# KiCad board SevenSegment.kicad_pcb (continued)
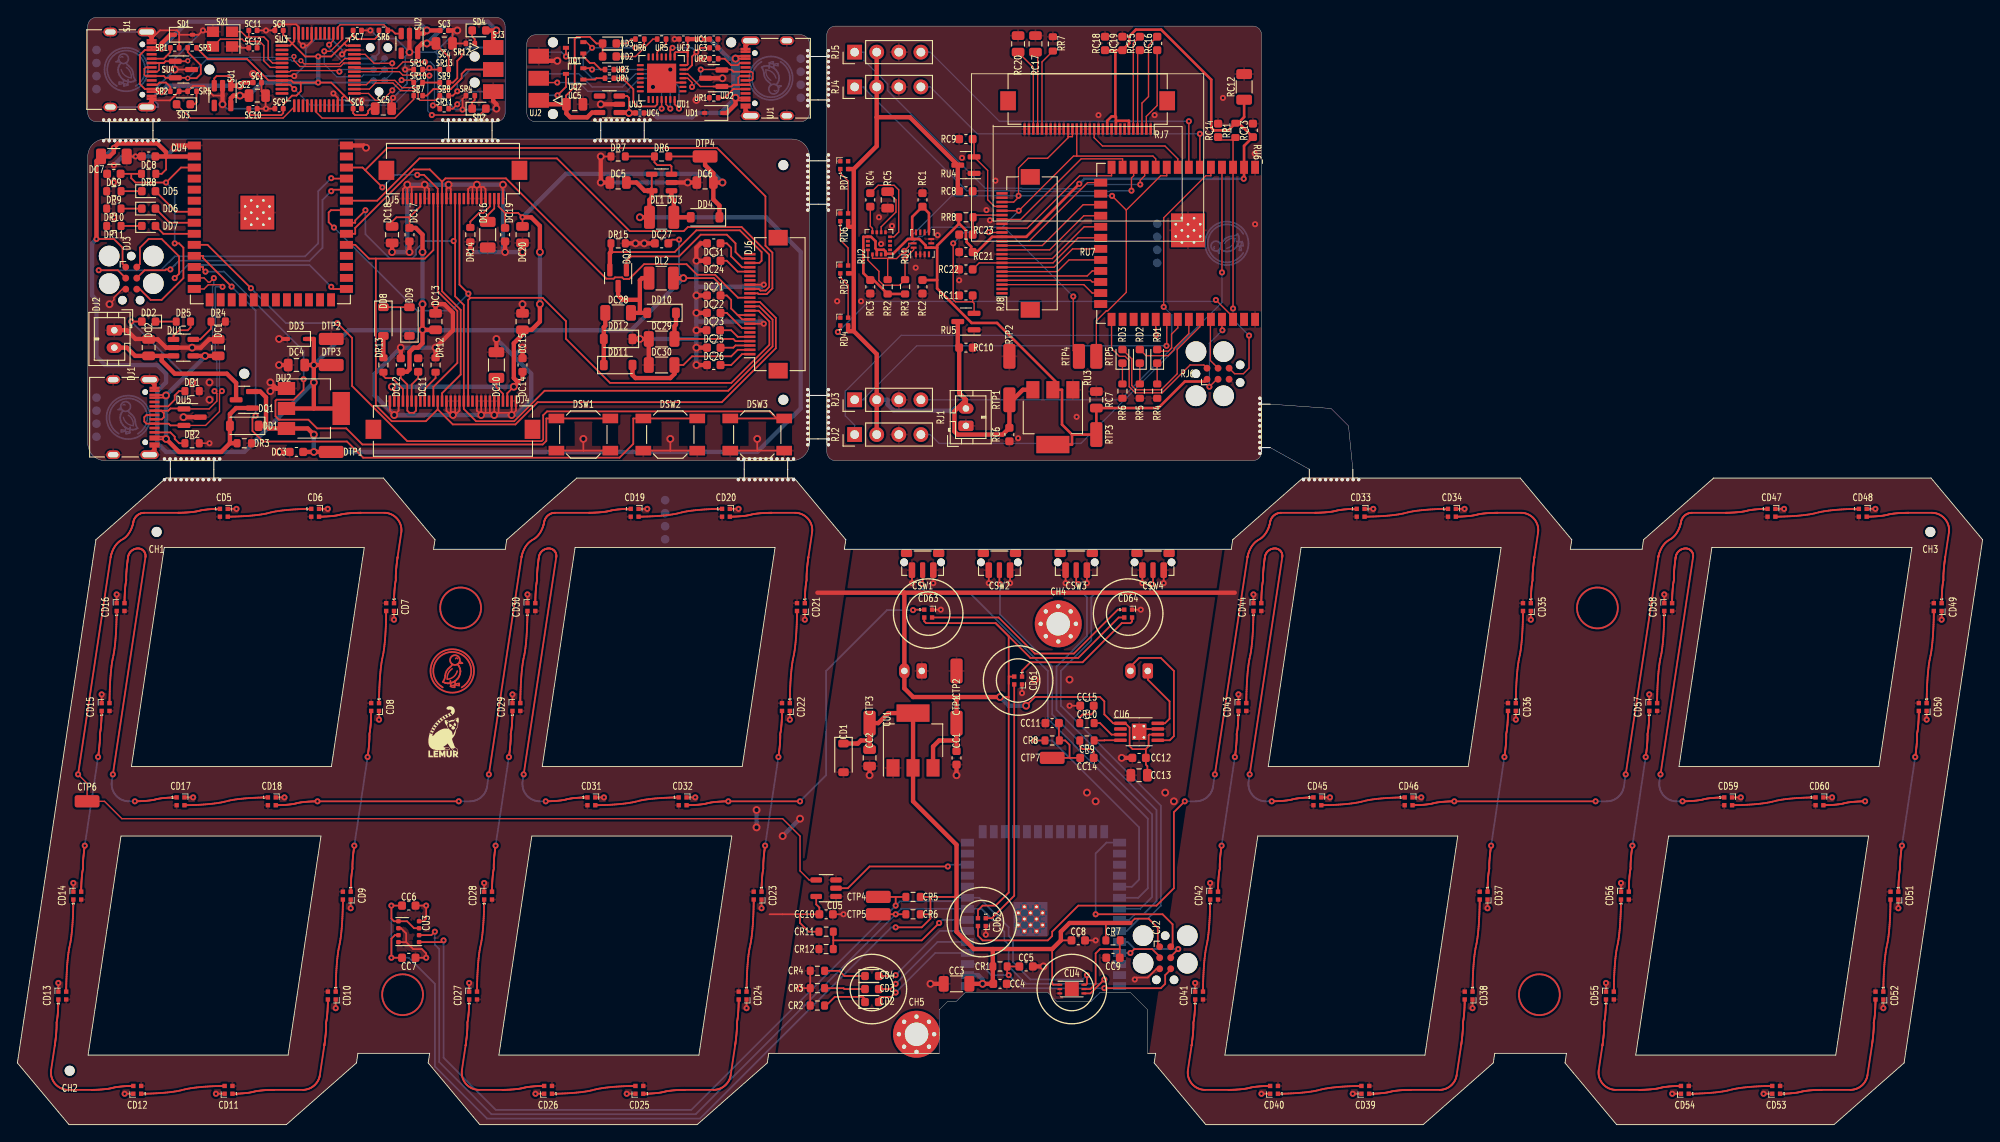
[diagram p0: board, top side]
## Routing (per net, layer and track width the routed paths; a pad name or vN(x,y) marks a point on that pad's centre or on a via; arc(x,y) is an arc through that point) (continued)
mcu.program_en_node: length 90.7
  Front w0.15: RJ6.6 140,86.4 141.01,86.4 141.66,87.05 v3(141.66,90.79) ; 139.81,113.3 RU6.3 v3(139.81,93.9) ; 139.81,113.3 RR1.2 ; 139.81,113.3 138.43,113.3 RC14.1
  Front w0.2: v3(18.09,101.4) 18.59,101.4 19.09,100.9 19.09,97.4 16.59,94.9 15.32,94.9 14.09,96.13 DJ3.6 ; 13.09,109.4 DR8.2 ; 13.09,109.4 13.09,108.9 13.59,108.4 v3(17.09,108.4) 18.81,110.12 DU4.3 ; 13.09,109.4 DC9.1 ; v3(125.02,15.7) 131.51,15.7 132.01,16.2 132.01,17.2 132.65,17.84 ; 115.24,18.2 CR1.2 113.84,17.38 v3(114.02,17.2)
  Back w0.15: v3(139.81,93.9) 139.81,92.64 v3(141.66,90.79)
  Back w0.2: CU2.3 110.73,18.48 112.02,17.2 v3(114.02,17.2) 115.52,15.7 v3(125.02,15.7) ; v3(17.09,108.4) 18.09,107.4 v3(18.09,101.4)
mcu.program_uart_node.a_tx: length 54.8
  Front w0.15: RJ6.3 137.96,85.77 v3(137.09,84.9) ; RU6.37 138.54,91.45 v3(138.59,91.4)
  Front w0.2: DU4.37 36.14,108.85 v3(36.09,108.9) ; v3(128.01,19.75) 128.46,20.2 130.51,20.2 130.51,20.2 131.38,19.34 ; v3(9.35,98.31) 11.55,98.31 DJ3.3
  Back w0.15: v3(138.59,91.4) 137.09,89.9 v3(137.09,84.9)
  Back w0.2: CU2.37 v3(128.01,19.75) ; v3(9.35,98.31) 16.5,98.31 18.09,99.9 33.09,99.9 34.59,101.4 34.59,107.4 v3(36.09,108.9)
mcu.program_uart_node.b_tx: length 45.9
  Front w0.15: RU6.36 137.21,92.59 137.21,87.92 137.66,87.47 RJ6.4
  Front w0.2: 132.65,19.34 v3(133.51,20.2) ; DU4.36 36.28,107.58 v3(36.09,107.4) ; DJ3.4 14.64,98.31 17,98.31 17.09,98.4 v3(17.59,98.4)
  Back w0.2: CU2.36 127.69,21.02 128.52,20.2 132.01,20.2 132.01,20.2 v3(133.51,20.2) ; v3(36.09,107.4) 35.09,106.4 35.09,100.9 33.59,99.4 18.6,99.4 18.09,98.89 18.09,98.89 v3(17.59,98.4)
mcu.swd.swo: length 9.3
  Front w0.15: SU3.39 36.34,124.75 v3(35.85,124.26)
  Back w0.15: v3(35.85,124.26) 35.85,123.83 37.65,122.04 41.59,122.04 SJ2.6
mcu.swd_node.reset: length 10.7
  Front w0.15: SU3.7 31.34,121.15 31.47,121.27 36.92,121.27 v3(37.04,121.16)
  Back w0.15: SJ2.3 37.28,121.4 v3(37.04,121.16)
mcu.swd_node.swclk: length 12.7
  Front w0.15: SU3.37 37.34,124.84 36,123.5 v3(35.3,123.5)
  Back w0.15: SJ2.4 41.59,120.77 39.79,120.77 39.6,120.57 36.75,120.57 35.3,122.02 v3(35.3,123.5)
mcu.swd_node.swdio: length 7.1
  Front w0.15: v3(43.11,122.12) 41.02,122.12 39.99,123.15 SU3.34
  Back w0.15: v3(43.11,122.12) 43.11,121.01 SJ2.2
mcu.xtal_node.driver.xtal_in: length 9.2
  Front w0.16: 26.59,125.15 26.34,125.15 25.75,125.75 SX1.1 ; 26.59,125.15 26.61,125.17 SC11.1 ; 26.59,125.15 28.34,125.15 28.84,124.65 28.84,122.65 29.34,122.15 SU3.5
mcu.xtal_node.driver.xtal_out: length 11.4
  Front w0.16: SX1.3 23.34,124.9 25.84,124.9 26.09,124.65 27.59,124.65 ; 27.59,124.65 27.58,124.63 SC12.1 ; 27.59,124.65 27.84,124.65 28.34,124.15 28.34,122.4 29.09,121.65 SU3.6
meta.dout: length 16.1
  Front w0.2: CD61.1 115.55,52.24 116.52,53.2 122.52,53.2 127.02,57.7 128.01,57.7 128.2,57.89 CD64.3
meta.led[0].dout: length 25.9
  Front w0.2: CD63.3 112.86,58.35 117.02,54.2 121.52,54.2 126.56,59.25 CD64.1
oled22.device.vcomh: length 3
  Front w0.2: DJ5.3 54.84,105.4 54.09,104.65 DC16.1
oled22.iref_res.a: length 4.5
  Front w0.2: DJ5.4 54.34,105.65 53.59,104.9 53.09,104.9 52.09,103.9 DR14.1
oled28.cs: length 93.7
  Front w0.2: 41.23,99.64 41.23,82.76 43.05,80.94 46.99,80.94 48.34,82.3 ; 41.23,99.64 46.87,99.64 47.84,100.62 DJ5.17 ; 41.23,99.64 40.44,99.64 38.86,101.23 DU4.31 ; 48.34,82.3 50.08,80.56 57.27,80.56 59.83,83.12 81.02,83.12 87.23,89.33 87.23,92.82 85.4,94.65 DJ6.13 ; 48.34,82.3 DJ4.12
oled28.dc: length 84.8
  Front w0.2: DU4.32 38.86,102.5 38.86,103.18 45.58,109.9 47.43,109.9 48.84,108.49 ; 48.84,108.49 DJ5.15 48.84,95.88 50.98,93.74 50.98,86.3 48.84,84.16 DJ4.13 ; 48.84,108.49 49.23,108.87 56.19,108.87 67.73,97.34 68.58,97.34 68.73,97.48 69.56,97.48 69.75,97.3 70.37,97.3 72.08,99 76.96,99 78.17,97.79 80.24,97.79 82.88,95.15 DJ6.14
oled28.device.vcomh: length 3
  Front w0.2: DJ4.27 55.84,84.1 55.09,84.85 DC10.1
oled28.device.vdd: length 3.7
  Front w0.2: DJ4.6 45.34,85.15 46.09,85.9 DC11.1
oled28.device.vsl: length 4.7
  Front w0.2: DR13.1 42.09,86.15 42.34,85.9 43.09,85.9 44.34,84.65 DJ4.4
oled28.iref_res.a: length 3.8
  Front w0.2: DJ4.9 46.84,84.65 48.09,85.9 DR12.1
oled28.reset: length 102.4
  Front w0.2: 40,109.82 39.7,110.12 DU4.38 ; 40,109.82 42.55,112.37 80.48,112.37 86.04,106.81 86.04,101.13 86.84,100.33 86.84,96.22 86.18,95.56 85.24,95.56 85.16,95.65 DJ6.15 ; 40,109.82 v3(41.98,107.84) ; DJ4.11 47.84,84.88 50.61,87.64 50.61,93.61 48.34,95.87 DJ5.16 48.34,107.69 46.76,109.28 v3(45.99,109.28)
  Back w0.2: v3(41.98,107.84) 43.42,109.28 v3(45.99,109.28)
oled28.spi.mosi: length 95.3
  Front w0.2: DJ4.19 51.84,94.88 52.1,95.13 ; DU4.34 37.67,105.22 36.07,105.22 35.8,104.95 35.8,103.83 v3(36.41,103.22) ; DJ5.11 50.84,96.64 v3(51.87,95.62) 51.87,95.36 52.1,95.13 ; 52.1,95.13 60.41,95.13 63.09,92.45 63.09,90.42 68.16,85.35 82.12,85.35 86.49,89.72 86.49,92.41 85.25,93.65 DJ6.11
  Back w0.2: v3(36.41,103.22) 45.97,93.66 49.92,93.66 v3(51.87,95.62)
oled28.spi.sck: length 88.9
  Front w0.2: 50.34,101.66 50.34,95.3 51.34,94.3 DJ4.18 51.34,82.34 52.75,80.93 57.13,80.93 60.64,84.44 81.76,84.44 86.86,89.54 86.86,92.62 85.33,94.15 DJ6.12 ; 50.34,101.66 v3(50.17,101.66) ; 50.34,101.66 DJ5.12 ; v3(40.03,105.21) 38.86,104.04 38.86,103.77 DU4.33
  Back w0.2: v3(50.17,101.66) 46.85,101.66 45.84,100.65 45.84,100.09 45.41,99.66 42.82,99.66 40.03,102.45 v3(40.03,105.21)
oled28.vsl_d1.cathode: length 3
  Front w0.2: DD8.1 DD9.2
oled28.vsl_res.b: length 2.5
  Front w0.5: DR13.2 DD8.2
oled.c1_cap.neg: length 10.9
  Front w0.15: RC15.2 128.34,124.43 RJ7.5
oled.c1_cap.pos: length 9.2
  Front w0.15: RC15.1 128.84,123.38 RJ7.4
oled.c2_cap.neg: length 11.3
  Front w0.15: RC16.2 130.09,124.18 130.09,118.29 129.34,117.54 RJ7.3
oled.c2_cap.pos: length 9.6
  Front w0.15: RJ7.2 129.84,116.01 131.09,117.26 RC16.1
oled.device.vcc: length 9.6
  Front w0.15: RJ7.28 116.84,121.65 RC20.1
oled.device.vcomh: length 9
  Front w0.15: RJ7.27 117.34,123.15 RC17.1
oled.iref_res.a: length 9.5
  Front w0.15: RJ7.26 117.84,122.28 RR7.1
oled.reset: length 12.6
  Front w0.15: RJ7.14 123.84,113.56 124.8,112.6 131.99,112.6 133.47,111.13 RU6.8
pwr: length 315.5
  Front w0.2: 127.43,46.18 127.92,45.68 127.92,43.54 128.26,43.2 129.76,43.2 ; 114.02,49.2 v2(113.02,49.2) ; 114.02,49.2 114.02,51.6 114.06,51.55 CD61.2 ; 114.02,49.2 114.02,26.7 112.52,25.2 111.02,25.2 110.48,24.66 CD62.2 ; 90.02,24.2 86.52,24.2 ; 90.02,24.2 CC10.1 92.24,24.97 91.88,25.34 CU5.5 ; 90.02,24.2 90.02,23.2 91.02,22.2 CR11.1 ; 72.55,107.45 72.96,107.86 DU3.4 ; 129.76,43.2 130.1,43.54 130.1,44.79 130.19,44.88 CU6.6 ; 129.76,43.2 129.79,43.18 CC12.1 129.79,41.43 129.97,41.25 CC13.1 ; 112.52,57.7 104.52,57.7 104.31,57.91 CD63.2 ; 112.52,57.7 114.02,56.2 114.02,50.7 ; 112.52,57.7 116.52,53.7 122.02,53.7 126.66,58.35 CD64.2 ; CU6.1 126.04,46.18 125.02,47.2 125.02,48.7 124.52,49.2 117.02,49.2 v2(116.02,48.2)
  Front w0.5: 28.59,80.4 28.89,80.1 DU2.3 33.39,80.1 v2(34.09,79.4) ; 28.59,80.4 DD1.1 ; 28.59,80.4 28.59,83.68 27.93,84.35 DQ1.2 ; 102.02,61.2 140.01,61.2 ; 102.02,61.2 CJ1.2 102.02,50.2 103.02,49.2 108.02,49.2 ; 102.02,61.2 92.02,61.2 ; 108.02,49.2 v2(113.02,49.2) ; 108.02,49.2 CTP1.1 108.02,44.2 ; 108.02,44.2 CC1.1 ; 108.02,44.2 106.02,44.2 105.31,43.5 CU1.3 ; v2(71.59,104.4) DL1.1 72.69,106.4 72.96,106.66 DU3.5 72.14,107.45 71.19,108.4 DC5.1 ; DTP1.1 v2(34.09,77.4) DC3.1
  Back w0.5: v2(85.02,36.2) v2(85.02,34.2) ; v2(116.02,48.2) 114.02,48.2 v2(113.02,49.2) ; v2(90.02,35.2) v2(88.02,33.2) ; v2(71.59,104.4) 86.09,104.4 90.09,100.4 90.09,82.4 85.09,77.4 v2(34.09,77.4) v2(34.09,79.4)
reg_12v.fb.output: length 7.1
  Front w0.2: DR7.1 DR6.2 73.27,110.73 73.59,110.4 75.09,110.4 75.23,110.26 DU3.3
reg_12v.power_path.switch: length 5.1
  Front w0.5: DD4.2 DL1.2 75.5,106.4 75.23,106.66 DU3.1
rgb_shift.input: length 16.2
  Front w0.2: v3(107.02,29.7) 98.02,29.7 95.52,27.2 CU5.2
  Back w0.2: v3(107.02,29.7) 107.22,29.91 CU2.12
rgb_shift.output: length 134.1
  Front w0.15: CU5.4 91.06,28.15 90.02,29.2 90.02,33.2 88.02,35.2 12.02,35.2 10.02,37.2 CTP6.1 8.01,39.27 v3(6.98,40.3)
  Front w0.2: v3(6.98,40.3) 10.73,65.3 10.74,65.34 10.74,65.37 10.75,65.41 10.76,65.45 10.77,65.5 10.79,65.56 10.8,65.62 10.83,65.69 10.85,65.76 10.87,65.84 10.9,65.92 10.94,66 10.97,66.08 11.01,66.17 11.05,66.26 11.1,66.34 11.15,66.43 11.21,66.52 11.27,66.61 11.33,66.7 11.4,66.78 11.48,66.87 11.56,66.95 11.64,67.03 11.73,67.1 11.82,67.17 11.92,67.24 12.14,67.36 12.24,67.43 12.33,67.5 12.42,67.57 12.5,67.65 12.58,67.73 12.66,67.82 12.73,67.9 12.79,67.99 12.85,68.08 12.91,68.17 12.96,68.26 13,68.34 13.05,68.43 13.09,68.52 13.12,68.6 13.16,68.69 13.19,68.76 13.21,68.84 13.23,68.91 13.25,68.98 13.27,69.04 13.29,69.1 13.3,69.15 13.31,69.19 13.32,69.23 13.32,69.26 13.34,69.36 13.36,69.42 13.37,69.48 13.39,69.54 13.41,69.6 13.44,69.66 13.47,69.71 13.5,69.77 13.53,69.82 13.56,69.87 13.6,69.91 13.64,69.96 13.68,70.01 13.72,70.05 13.76,70.09 13.81,70.12 13.86,70.16 13.91,70.2 13.96,70.23 14.01,70.26 14.07,70.28 14.12,70.31 14.18,70.33 14.24,70.35 14.3,70.36 14.36,70.38 14.42,70.39 14.48,70.39 14.54,70.4 14.61,70.4 18.54,70.4 18.57,70.4 18.62,70.4 18.72,70.4 18.79,70.4 18.86,70.41 18.94,70.41 19.02,70.41 19.11,70.41 19.2,70.42 19.29,70.42 19.39,70.43 19.49,70.43 19.59,70.44 19.8,70.46 20.02,70.48 20.12,70.49 20.23,70.5 20.33,70.52 20.43,70.53 20.53,70.55 20.63,70.56 20.72,70.58 20.81,70.6 20.98,70.65 21.07,70.67 21.16,70.69 21.26,70.7 21.36,70.72 21.46,70.73 21.56,70.75 21.67,70.76 21.77,70.77 21.88,70.78 21.99,70.79 22.2,70.81 22.3,70.82 22.4,70.82 22.5,70.83 22.59,70.83 22.69,70.84 22.77,70.84 22.85,70.84 22.93,70.84 23,70.85 23.12,70.85 23.17,70.85
rgbs.din: length 48.9
  Front w0.15: RU6.38 139.81,92.92 v3(137.84,94.89) ; RD4.1 94.64,91.47 v3(94.37,91.2)
  Back w0.15: v3(137.84,94.89) 137.67,94.71 97.88,94.71 v3(94.37,91.2)
rgbs.led[0].dout: length 5.5
  Front w0.15: RD5.1 94.64,97.47 95.55,96.57 RD4.3
rgbs.led[1].dout: length 5.5
  Front w0.15: RD5.3 95.55,100.87 94.64,101.77 RD6.1
rgbs.led[2].dout: length 5.5
  Front w0.15: RD6.3 95.55,108.57 94.64,109.47 RD7.1
servo1.fb: length 57.3
  Front w0.15: RU6.4 v3(138.54,98.05)
  Back w0.15: RJ2.4 104.99,79.4 106.01,78.38 122.32,78.38 138.54,94.6 v3(138.54,98.05)
servo1.pwm: length 45.7
  Front w0.15: RU6.31 130.93,91.67 130.96,91.64 v3(130.96,90.81)
  Back w0.15: v3(130.96,90.81) 101.64,90.81 95.22,84.39 95.22,81.55 96.3,80.48 RJ2.1
servo2.fb: length 55.1
  Front w0.15: RU6.5 137.28,109.17 136.68,109.17 131.84,104.34 v3(131.84,94.09)
  Back w0.15: v3(131.84,94.09) 132.77,93.15 132.77,89.33 126.85,83.4 RJ3.4
servo2.pwm: length 41.6
  Front w0.15: v3(132.17,89.61) 132.19,89.64 RU6.32
  Back w0.15: RJ3.1 97.37,83.4 97.37,83.53 103.45,89.61 v3(132.17,89.61)
servo3.fb: length 38.2
  Front w0.15: RU6.6 v3(136,114.01)
  Back w0.15: v3(136,114.01) 110.38,114.01 104.99,119.4 RJ4.4
servo3.pwm: length 39.7
  Front w0.15: RU6.12 128.38,109.17 128.13,108.92 v3(128.13,107.46)
  Back w0.15: v3(128.13,107.46) 125.69,107.46 125.61,107.38 115.45,107.38 115.39,107.45 109.19,107.45 97.37,119.27 97.37,119.4 RJ4.1
servo4.fb: length 39.4
  Front w0.15: RU6.7 v3(134.73,115.45)
  Back w0.15: v3(134.73,115.45) 112.94,115.45 104.99,123.4 RJ5.4
servo4.pwm: length 42.8
  Front w0.15: RU6.11 129.66,109.17 129.15,108.67 v3(129.15,108.17)
  Back w0.15: RJ5.1 97.37,123.4 97.37,122.47 100.1,119.73 100.1,118.96 111.32,107.75 115.51,107.75 115.58,107.68 122.43,107.68 122.92,108.17 v3(129.15,108.17)
spk_chain_0: length 25.9
  Front w0.2: v3(117.02,44.2) CR8.1
  Back w0.2: v3(117.02,44.2) 119.02,44.2 129.01,34.2 129.01,28.2 128.19,27.37 CU2.31
spk_chain_1: length 8.1
  Front w0.2: CR8.2 120.52,44.2 121.02,43.7 121.02,42.2 ; CC14.2 121.02,42.2 ; 121.02,42.2 CTP7.1 ; CC11.1 119.79,44.25
spk_chain_2.a: length 8.1
  Front w0.2: CJ3.1 130.01,51.2 132.51,48.7 132.51,46.7 131.99,46.18 CU6.8
spk_chain_2.b: length 15.6
  Front w0.2: 131.16,44.22 132.54,44.22 133.01,44.7 133.01,52.2 131.51,53.7 129.01,53.7 128.01,52.7
spk_drv.inn_cap.pos: length 3.2
  Front w0.2: CC15.1 123.79,47.47 123.52,47.2 122.52,47.2 122.19,46.88 CR10.1
spk_drv.inn_res.b: length 3.6
  Front w0.2: CR10.2 124.52,46.2 125.84,44.88 CU6.3
spk_drv.inp_cap.pos: length 3.2
  Front w0.2: CR9.1 122.19,43.53 122.52,43.2 123.52,43.2 123.79,42.93 CC14.1
spk_drv.inp_res.b: length 3
  Front w0.2: 126.86,44.22 125.04,44.22 125.02,44.2 CR9.2
sw[0].out: length 123.4
  Front w0.2: DSW1.1 DSW1.1 60.83,81.25 60.83,78.67 60.42,78.26 39.68,78.26 37.83,80.11 34.47,80.11 33.47,81.11 30.08,81.11 29.68,81.51 29.68,83.29 29.8,83.41 31.78,83.41 32.92,84.55 v3(32.92,85.77) ; DU4.12 21.36,98.69 21.36,98.42 v3(21.63,98.15) ; v3(104.02,62.2) 104.12,62.3 CSW1.2
  Back w0.2: v3(32.92,85.77) 32.92,89.01 23.78,98.15 v3(21.63,98.15) ; v3(104.02,62.2) 104.02,61.7 104.52,61.2 109.52,61.2 118.52,52.2 118.52,46.7 130.01,35.2 130.01,27.2 128.91,26.1 CU2.32
sw[1].out: length 129
  Front w0.2: v3(113.02,62.2) 112.95,62.27 CSW2.2 ; v3(27.39,81.58) 27.03,81.21 27.03,79.82 28.25,78.6 37.91,78.6 39.77,76.74 69.25,76.74 70.83,78.32 70.83,81.25 DSW2.1 DSW2.1 ; DU4.11 21.36,99.96 21.36,99.7 v3(24.64,96.42)
  Back w0.2: v3(27.39,81.58) 27.39,93.67 v3(24.64,96.42) ; CU2.33 129.15,24.83 130.51,26.2 130.51,35.7 119.02,47.2 119.02,52.7 113.02,58.7 v3(113.02,62.2)
sw[2].out: length 139.1
  Front w0.2: 87.34,81.25 DSW3.1 ; 87.34,81.25 DSW3.1 ; 87.34,81.25 86.53,82.06 60.91,82.06 60.47,81.62 60.47,78.82 60.29,78.64 44.84,78.64 38.49,84.98 38.49,90.52 v3(36.79,92.22) ; DU4.10 21.87,101.23 v3(26.86,96.24) ; v3(122.02,62.2) 121.78,62.43 CSW3.2
  Back w0.2: CU2.34 127.88,23.56 128.51,24.2 129.51,24.2 131.01,25.7 131.01,36.2 119.52,47.7 119.52,52.7 123.02,56.2 123.02,60.7 122.02,61.7 v3(122.02,62.2) ; v3(26.86,96.24) 30.87,92.22 v3(36.79,92.22)
sw[3].out: length 57.2
  Front w0.2: v3(130.51,62.2) 130.62,62.3 CSW4.2
  Back w0.2: CU2.35 127.61,22.29 129.01,23.7 130.01,23.7 131.51,25.2 131.51,36.7 120.02,48.2 120.02,52.2 123.52,55.7 123.52,60.7 124.02,61.2 130.01,61.2 130.51,61.7 v3(130.51,62.2)
target_drv.reset_in: length 13.6
  Front w0.15: SU3.18 34.34,116.52 35.05,115.81 43.43,115.81 45.58,117.97 SR7.1
target_drv.swclk_in: length 11.6
  Front w0.15: SU3.26 40.48,119.15 41.18,119.85 43.2,119.85 44.08,118.97 45.89,118.97 46.09,118.77 46.09,118.07 46.3,117.85 48.04,117.85 SR8.1
target_drv.swd.reset: length 9.7
  Front w0.2: SJ3.3 51.59,121.4 51.09,120.9 51.09,120.4 49.84,119.15 47.84,119.15 47.09,118.4 SR7.2
target_drv.swd.swclk: length 6.9
  Front w0.2: SR8.2 50.09,118.4 v3(50.59,118.9)
  Back w0.2: SJ3.4 52.09,121.4 50.59,119.9 v3(50.59,118.9)
target_drv.swd.swdio: length 8.3
  Front w0.2: v3(51.09,123.4) 51.09,122.9 50.59,122.4 50.59,120.4 50.09,119.9 SR9.2
  Back w0.2: v3(51.09,123.4) 51.64,123.94 SJ3.2
target_drv.swdio_in: length 8.3
  Front w0.15: v3(44.19,120.18) 45.3,120.18 SR10.1 ; v3(43.12,119.01) 41.97,117.85 41.18,117.85 40.38,118.65 SU3.25
  Back w0.15: v3(43.12,119.01) 43.12,119.11 v3(44.19,120.18)
target_drv.swdio_out: length 10.6
  Front w0.15: SU3.27 40.13,119.65 40.63,120.15 43.41,120.15 44.24,119.32 46.03,119.32 SR10.2
  Front w0.2: SR10.2 SR9.1
target_drv.swo_in: length 5.9
  Front w0.2: SR11.2 50.09,116.9 v3(50.59,117.4)
  Back w0.2: SJ3.6 52.05,118.86 v3(50.59,117.4)
target_drv.swo_out: length 15.3
  Front w0.15: SU3.31 38.86,121.55 43.62,121.55 44.35,122.27 v3(46.87,122.27) ; v3(47.79,117.27) 48.22,117.27 SR11.1
  Back w0.15: v3(46.87,122.27) 47.51,122.27 47.96,121.81 47.96,117.44 v3(47.79,117.27)
target_sense.output: length 21.9
  Front w0.15: 47.49,121.4 47.39,121.51 v3(47.39,121.57)
  Front w0.2: v3(31.84,119.15) 31.34,119.65 SU3.10 ; SR13.2 SR14.1
  Back w0.15: v3(47.39,121.57) 46.81,121 46.81,120.91 43.2,117.31 33.69,117.31 v3(31.84,119.15)
usb.conn.A5: length 7.5
  Front w0.2: DJ1.A5 17.34,82.65 18.09,83.4 18.09,83.9 18.59,84.4 DR1.2 ; SJ1.A5 16.85,122.65 17.1,122.9 17.58,123.39 SR1.2
usb.conn.B5: length 7.1
  Front w0.2: DR2.2 18.59,78.4 18.09,78.9 18.09,79.15 17.59,79.65 DJ1.B5 ; SR2.2 17.58,119.41 17.09,119.9 16.34,119.9 16.09,119.65 SJ1.B5
usb_chain_0.d_N: length 66.8
  Front w0.15: v3(22.67,84.4) 22.94,84.12 22.94,83.25 22.05,82.35 DU5.1 ; v3(22.59,97.4) 22.13,96.94 21.95,96.94 21.47,97.42 DU4.13 ; 15.77,122.15 SJ1.B7 ; 15.77,121.15 SJ1.A7 ; SU3.32 37.56,122.15 37.16,121.75 32.5,121.75 31.81,122.43 v4(31.81,122.9)
  Front w0.16: 16.3,122.15 16.59,122.15 ; 16.3,122.15 16.3,121.35 16.09,121.15 15.77,121.15 ; 16.3,122.15 16.59,122.15 ; 16.3,122.15 15.77,122.15 ; 16.59,122.15 16.84,122.15 ; 82.59,119.65 82.34,119.65 ; 82.59,119.65 82.89,119.65 82.89,120.45 83.09,120.65 83.42,120.65 ; 82.59,119.65 83.42,119.65 ; UU2.1 78.55,119.45 77.09,120.9 UU1.5
  Front w0.2: 16.54,82.15 DJ1.B7 16.54,82.15 ; 16.54,82.15 17.35,82.15 17.6,82.4 19.11,82.4 DU5.1 ; 16.54,82.15 16.84,81.84 16.84,81.4 16.59,81.15 DJ1.A7 ; v4(19.59,122.4) 19.55,122.35 SU4.1 17.05,122.35 16.84,122.15 15.77,122.15 ; 80.03,119.45 82.14,119.45 82.34,119.65 83.42,119.65
  Back w0.15: v3(22.67,84.4) 22.94,84.68 22.94,87.84 22.44,88.34 22.44,96.46 22.59,96.61 v3(22.59,97.4) ; v4(31.81,122.9) 31.71,122.8 20,122.8 v4(19.59,122.4)
usb_chain_0.d_P: length 75.3
  Front w0.15: v4(32.61,122.41) 32.97,122.05 37.03,122.05 37.63,122.65 SU3.33 ; v3(23.59,96.4) 23.36,96.64 21.95,96.64 21.47,96.15 DU4.14 ; DU5.2 21.64,80.45 23.25,82.05 23.25,84.12 v3(23.52,84.4) ; 19.55,120.45 v4(19.59,120.4)
  Front w0.16: UU1.4 77.09,120.4 77.59,119.9 v3(77.59,119.4) ; v3(78.59,121.4) 82.09,121.4 82.14,121.35 ; 83.42,120.15 84.44,120.15 84.59,120.31 84.59,120.99 84.44,121.15 83.42,121.15 ; 15.77,120.65 SJ1.B6 14.75,120.65 14.59,120.81 14.59,121.49 14.75,121.65 SJ1.A6
  Front w0.2: 15.77,120.65 16.84,120.65 17.05,120.45 SU4.2 19.55,120.45 ; SR3.2 19.59,123.89 19.59,123.4 21.09,121.9 21.09,120.9 20.59,120.4 v4(19.59,120.4) ; DU5.2 17.59,80.45 17.39,80.65 DJ1.B6 14.84,80.65 14.59,80.9 14.59,81.4 14.84,81.65 DJ1.A6 ; 83.42,121.15 82.34,121.15 82.14,121.35
  Back w0.15: v3(23.52,84.4) 23.25,84.68 23.25,87.96 22.75,88.46 22.75,96.34 22.81,96.4 v3(23.59,96.4) ; v4(32.61,122.41) 32.57,122.38 31.59,122.38 31.47,122.5 21.69,122.5 v4(19.59,120.4)
  Back w0.16: v3(77.59,119.4) 78.59,120.4 v3(78.59,121.4)
usb_uart.conn.A5: length 3.6
  Front w0.2: UR1.2 81.34,118.15 82.34,119.15 UJ1.A5
usb_uart.conn.B5: length 3.6
  Front w0.2: UJ1.B5 83.09,122.15 82.84,121.9 82.09,121.9 81.34,122.65 UR2.2
usbconv.dtr: length 16.6
  Front w0.2: UQ2.2 65.94,121.55 v3(66.09,121.4) ; UR3.1 v3(69.59,121.4) ; v3(76.09,116.9) 75.59,117.4 UU1.28
  Back w0.16: v3(76.09,116.9) 76.09,119.4 74.09,121.4 v3(69.59,121.4) v3(66.09,121.4)
usbconv.ic.vdd: length 8.8
  Front w0.2: UU1.9 75.09,123.65 v3(75.34,123.9) ; UU1.6 77.09,121.4 77.59,121.9 77.59,122.9 v3(78.09,123.4) 78.59,123.9 UC3.1
  Back w0.2: v3(75.34,123.9) 77.59,123.9 v3(78.09,123.4)
usbconv.rts: length 23.7
  Front w0.16: v3(66.09,123.9) 65.44,124.55 UQ1.2 ; UR6.2 72.11,124.41 71.6,123.9 v3(71.09,123.9)
  Front w0.2: UR4.1 v3(69.59,120.4) 70.84,119.15 70.84,117.65 71.34,117.15 73.34,117.15 73.59,117.4 UU1.24
  Back w0.16: v3(71.09,123.9) v3(66.09,123.9) 65.09,122.9 65.09,121.4 66.09,120.4 v3(69.59,120.4)
usbconv.suspend: length 2.5
  Front w0.16: UU1.12 73.59,123.4 74.6,124.41 UR5.2
usbconv.uart.rx: length 18.2
  Front w0.16: UU1.25 v3(74.09,116.9) ; v3(62.09,119.9) 60.84,119.9
  Back w0.16: v3(74.09,116.9) 74.09,119.4 73.09,120.4 71.59,120.4 70.09,118.9 65.59,118.9 64.59,119.9 v3(62.09,119.9)
usbconv.uart.tx: length 21
  Front w0.16: v3(75.09,116.9) 74.59,117.4 UU1.26
  Back w0.16: v3(75.09,116.9) 75.09,119.4 73.59,120.9 71.09,120.9 69.59,119.4 66.09,119.4 64.59,120.9 60.47,120.9 UJ2.4
vtarget: length 19.4
  Front w0.2: SR13.1 49.61,122.85 48.05,124.4
  Front w0.5: SD4.2 v2(55.09,125.9) 54.72,125.53 SJ3.1 ; SU2.5 46.05,123.9 46.55,124.4 v2(47.09,124.4) SC4.1
  Back w0.5: v2(47.09,124.4) 49.59,126.9 54.09,126.9 v2(55.09,125.9)
vusb: length 154.8
  Front w0.2: 16.41,119.15 16.59,118.97 16.53,118.91 ; 16.41,119.15 SJ1.B4 14.66,119.15 14.09,119.72 14.09,123.08 14.66,123.65 SJ1.B9 ; 16.41,119.15 16.59,119.15 ; UU1.8 75.59,123.3 75.69,123.4 77.09,123.4 77.09,123.9 77.09,122.9 ; 16.53,118.91 16.47,118.85 SJ1.A9 ; 16.53,118.91 16.58,118.91 v2(16.59,118.9) ; 15.77,123.95 16.59,123.95 16.3,123.65 SJ1.B9 ; 83.42,118.15 82.89,118.15 82.59,117.85 83.42,117.85 ; 77.09,122.9 77.09,122 77,121.9 UU1.7 ; 77.09,122.9 77.09,124.88 UC2.1 ; DJ1.B9 16.84,83.65 v2(17.09,83.9) 17.05,83.95 DJ1.A4 ; v3(13.09,92.4) DD2.2 ; 70.59,116.4 70.34,116.65 70.34,118.15 70.14,118.35 UU3.3 ; UJ1.B4 v2(82.59,122.65) ; SJ1.B9 SJ1.A4 ; 83.42,122.95 82.72,122.95 82.59,122.83 82.77,122.65 ; SU1.3 22.64,120.38 22.91,120.65 24.34,120.65 24.55,120.45 SU1.1 ; DJ1.B4 16.84,79.15 v2(17.09,78.9) 17.05,78.85 DJ1.A9
  Front w0.5: SU1.1 v2(25.59,119.54) 25.96,119.9 SC1.1 ; DC1.1 v2(21.59,88.45) DU1.4 ; DR3.1 24.44,78.4 ; 24.44,78.4 DD1.2 24.44,81.75 25.14,82.45 DQ1.1 ; 24.44,78.4 23.44,77.4 18.59,77.4 v2(17.09,78.9) ; UD1.1 81.59,116.4 82.59,117.4 v2(82.59,118.15) ; SD1.1 17.59,125.4 16.59,124.4 v2(16.59,123.9) ; SC3.1 v2(47.09,125.9) 46.73,125.54 SU2.1 ; UU3.1 70.05,116.45 70.09,116.4 v2(70.34,116.4) ; v2(70.34,116.4) UC4.1 v2(70.34,116.4) ; UC2.1 UC1.1
  Back w0.2: v3(13.09,92.4) 19.34,86.15
  Back w0.5: v2(21.59,88.45) 21.59,88.4 v2(17.09,83.9) v2(17.09,78.9) ; v2(47.09,125.9) 46.09,126.9 19.59,126.9 v2(16.59,123.9) ; v2(82.59,118.15) 80.84,116.4 78.09,116.4 77.59,115.9 73.59,115.9 73.09,116.4 v2(70.34,116.4) ; v2(82.59,122.65) 81.84,122.65 79.59,124.9 v3(78.59,124.9) ; v2(25.59,119.54) 17.23,119.54 v2(16.59,118.9)
  Back w1: v2(82.59,122.65) v2(82.59,118.15)

## Copper pours and planes (outline as drawn; the poured copper is in the pictures)
gnd on Front, Back: 143.59,126.9 143.59,75.9 92.59,75.9 92.59,126.9
gnd on Front, Back: 91.59,75.9 7.59,75.9 7.59,113.9 91.59,113.9
gnd on Front, Back: 58.09,125.9 91.59,125.9 91.59,114.9 58.09,114.9
gnd on Front, Back: 56.59,114.9 7.59,114.9 7.59,127.9 56.59,127.9
gnd on Front, Back: -0.99,-0.8 -0.99,75.2 227.01,75.2 227.01,-0.8
pwr on Front: 227.01,-0.8 227.01,75.2 139.01,75.2 139.01,67.2 130.01,7.2 130.01,-0.8
pwr on Front: -0.99,-0.8 -0.99,75.2 96.02,75.2 96.02,67.2 87.02,7.2 87.02,-0.8

## Text on the board
B.Silkscreen: SWD Probe / May '23 | Crawler Controller / May '23 | CP2102 / ESP32 Pgm / May '23
